# KiCad board poly_kb_molecule_7x5_wave_left.kicad_pcb
title: PolyKB Atom; date: 2022-02-01; rev: 2.1; company: thpoll
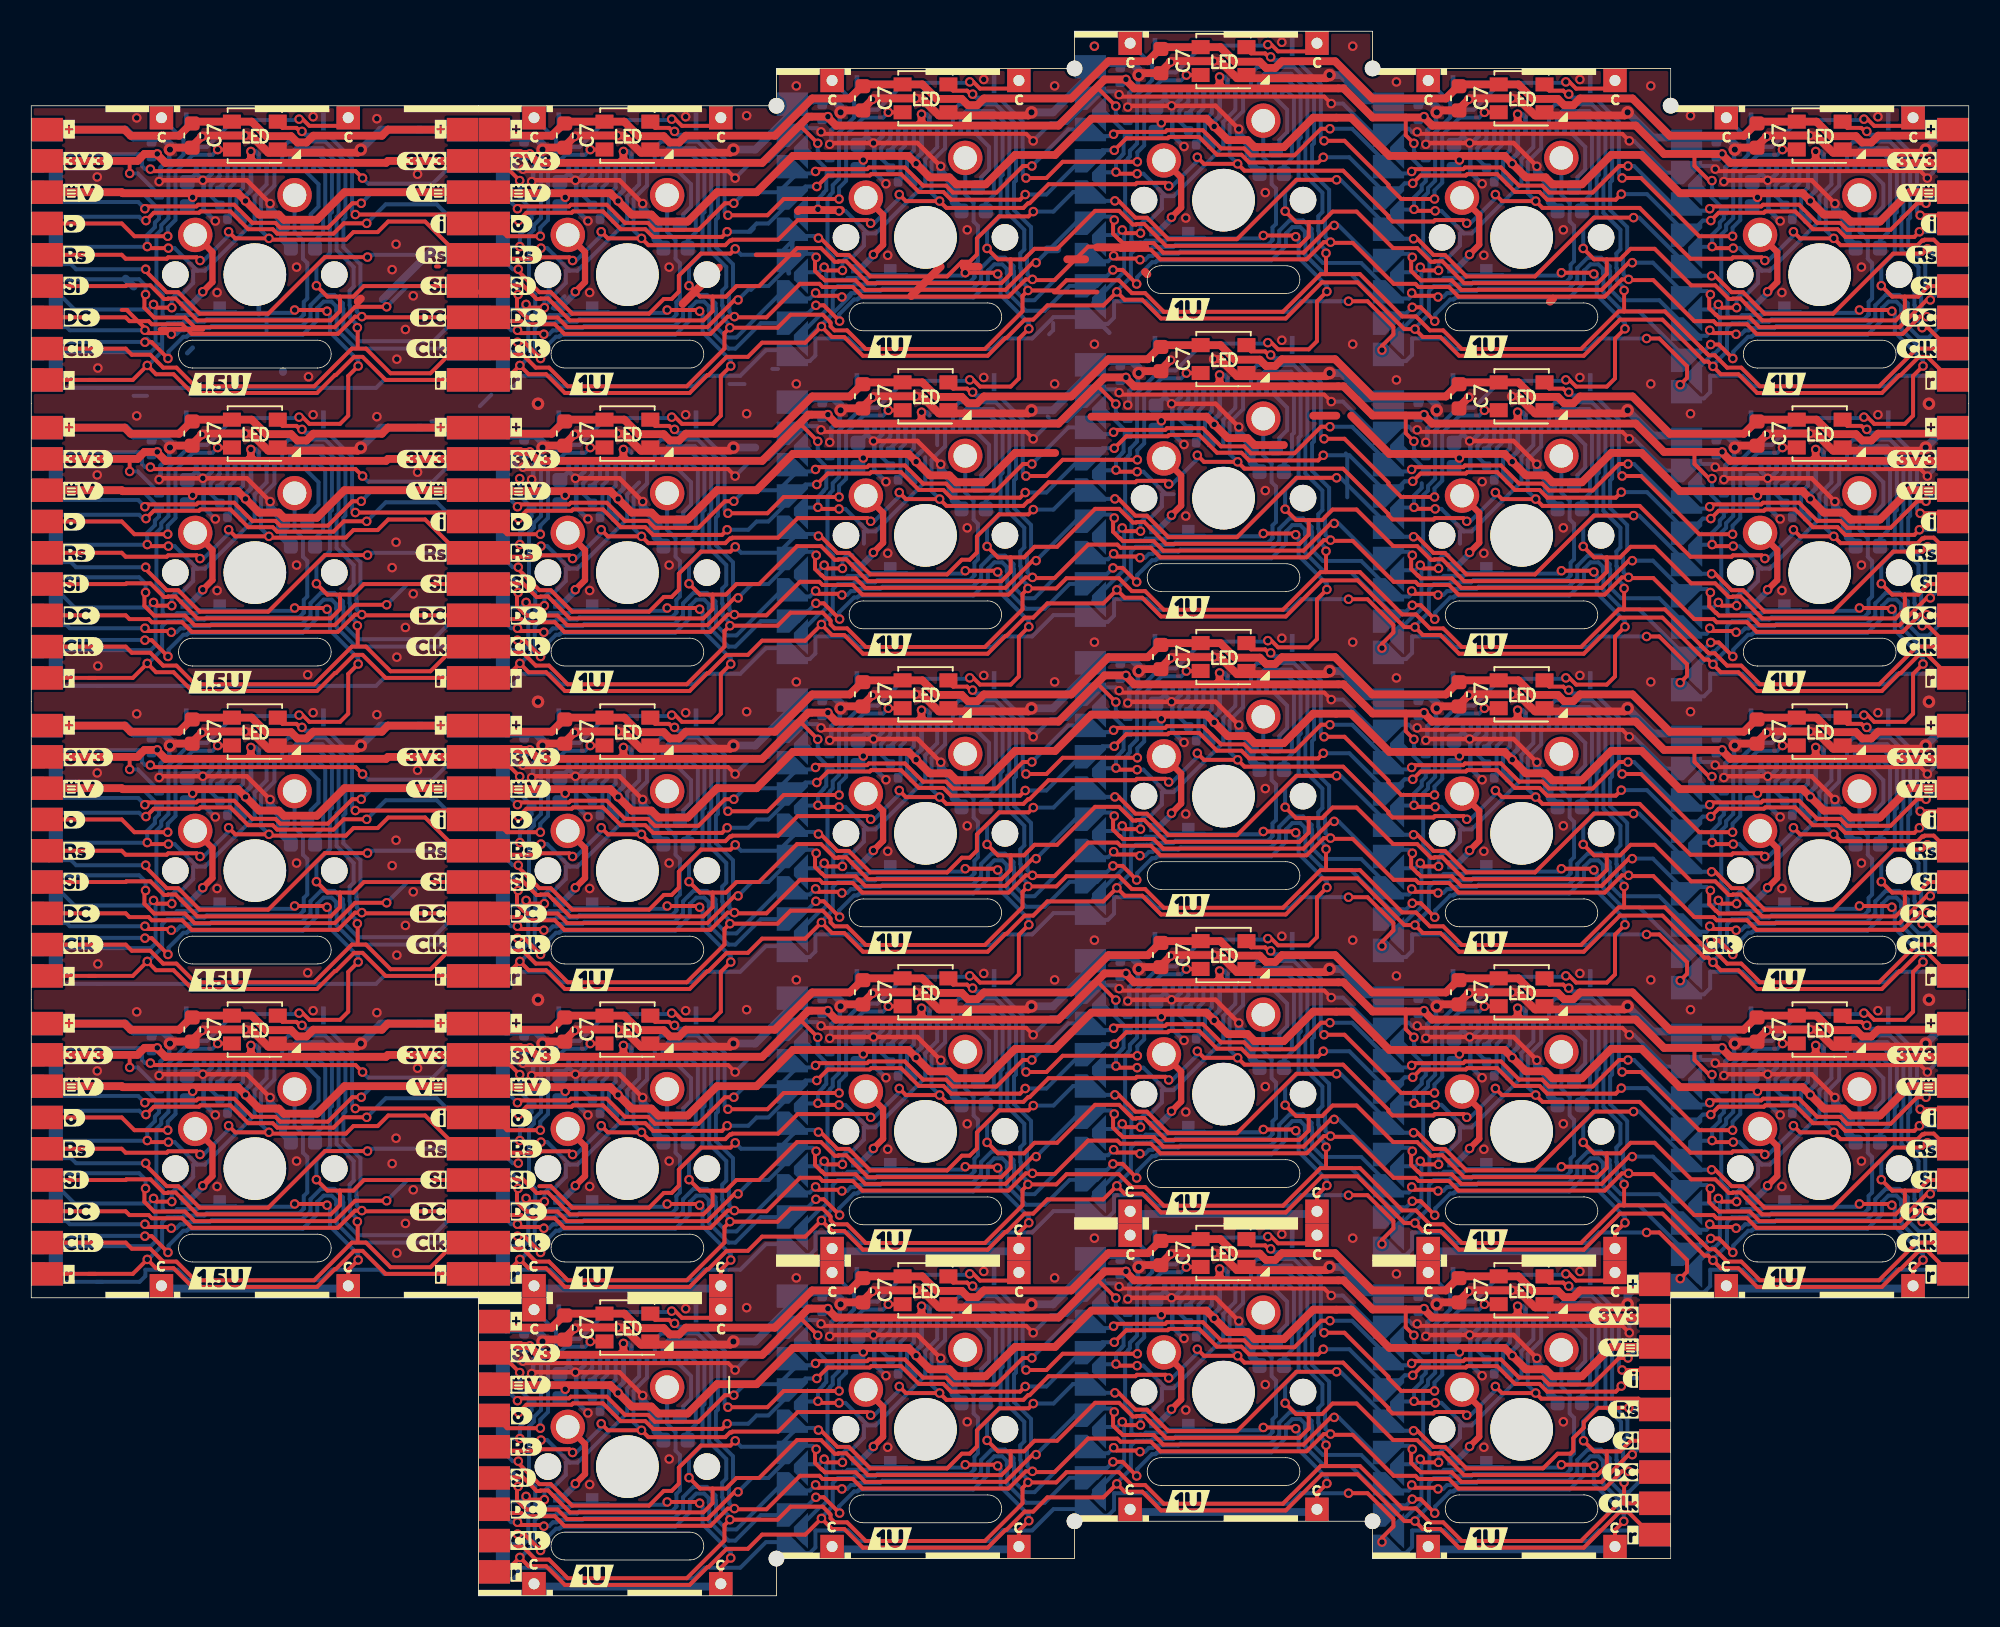
[diagram p0: board, top side]
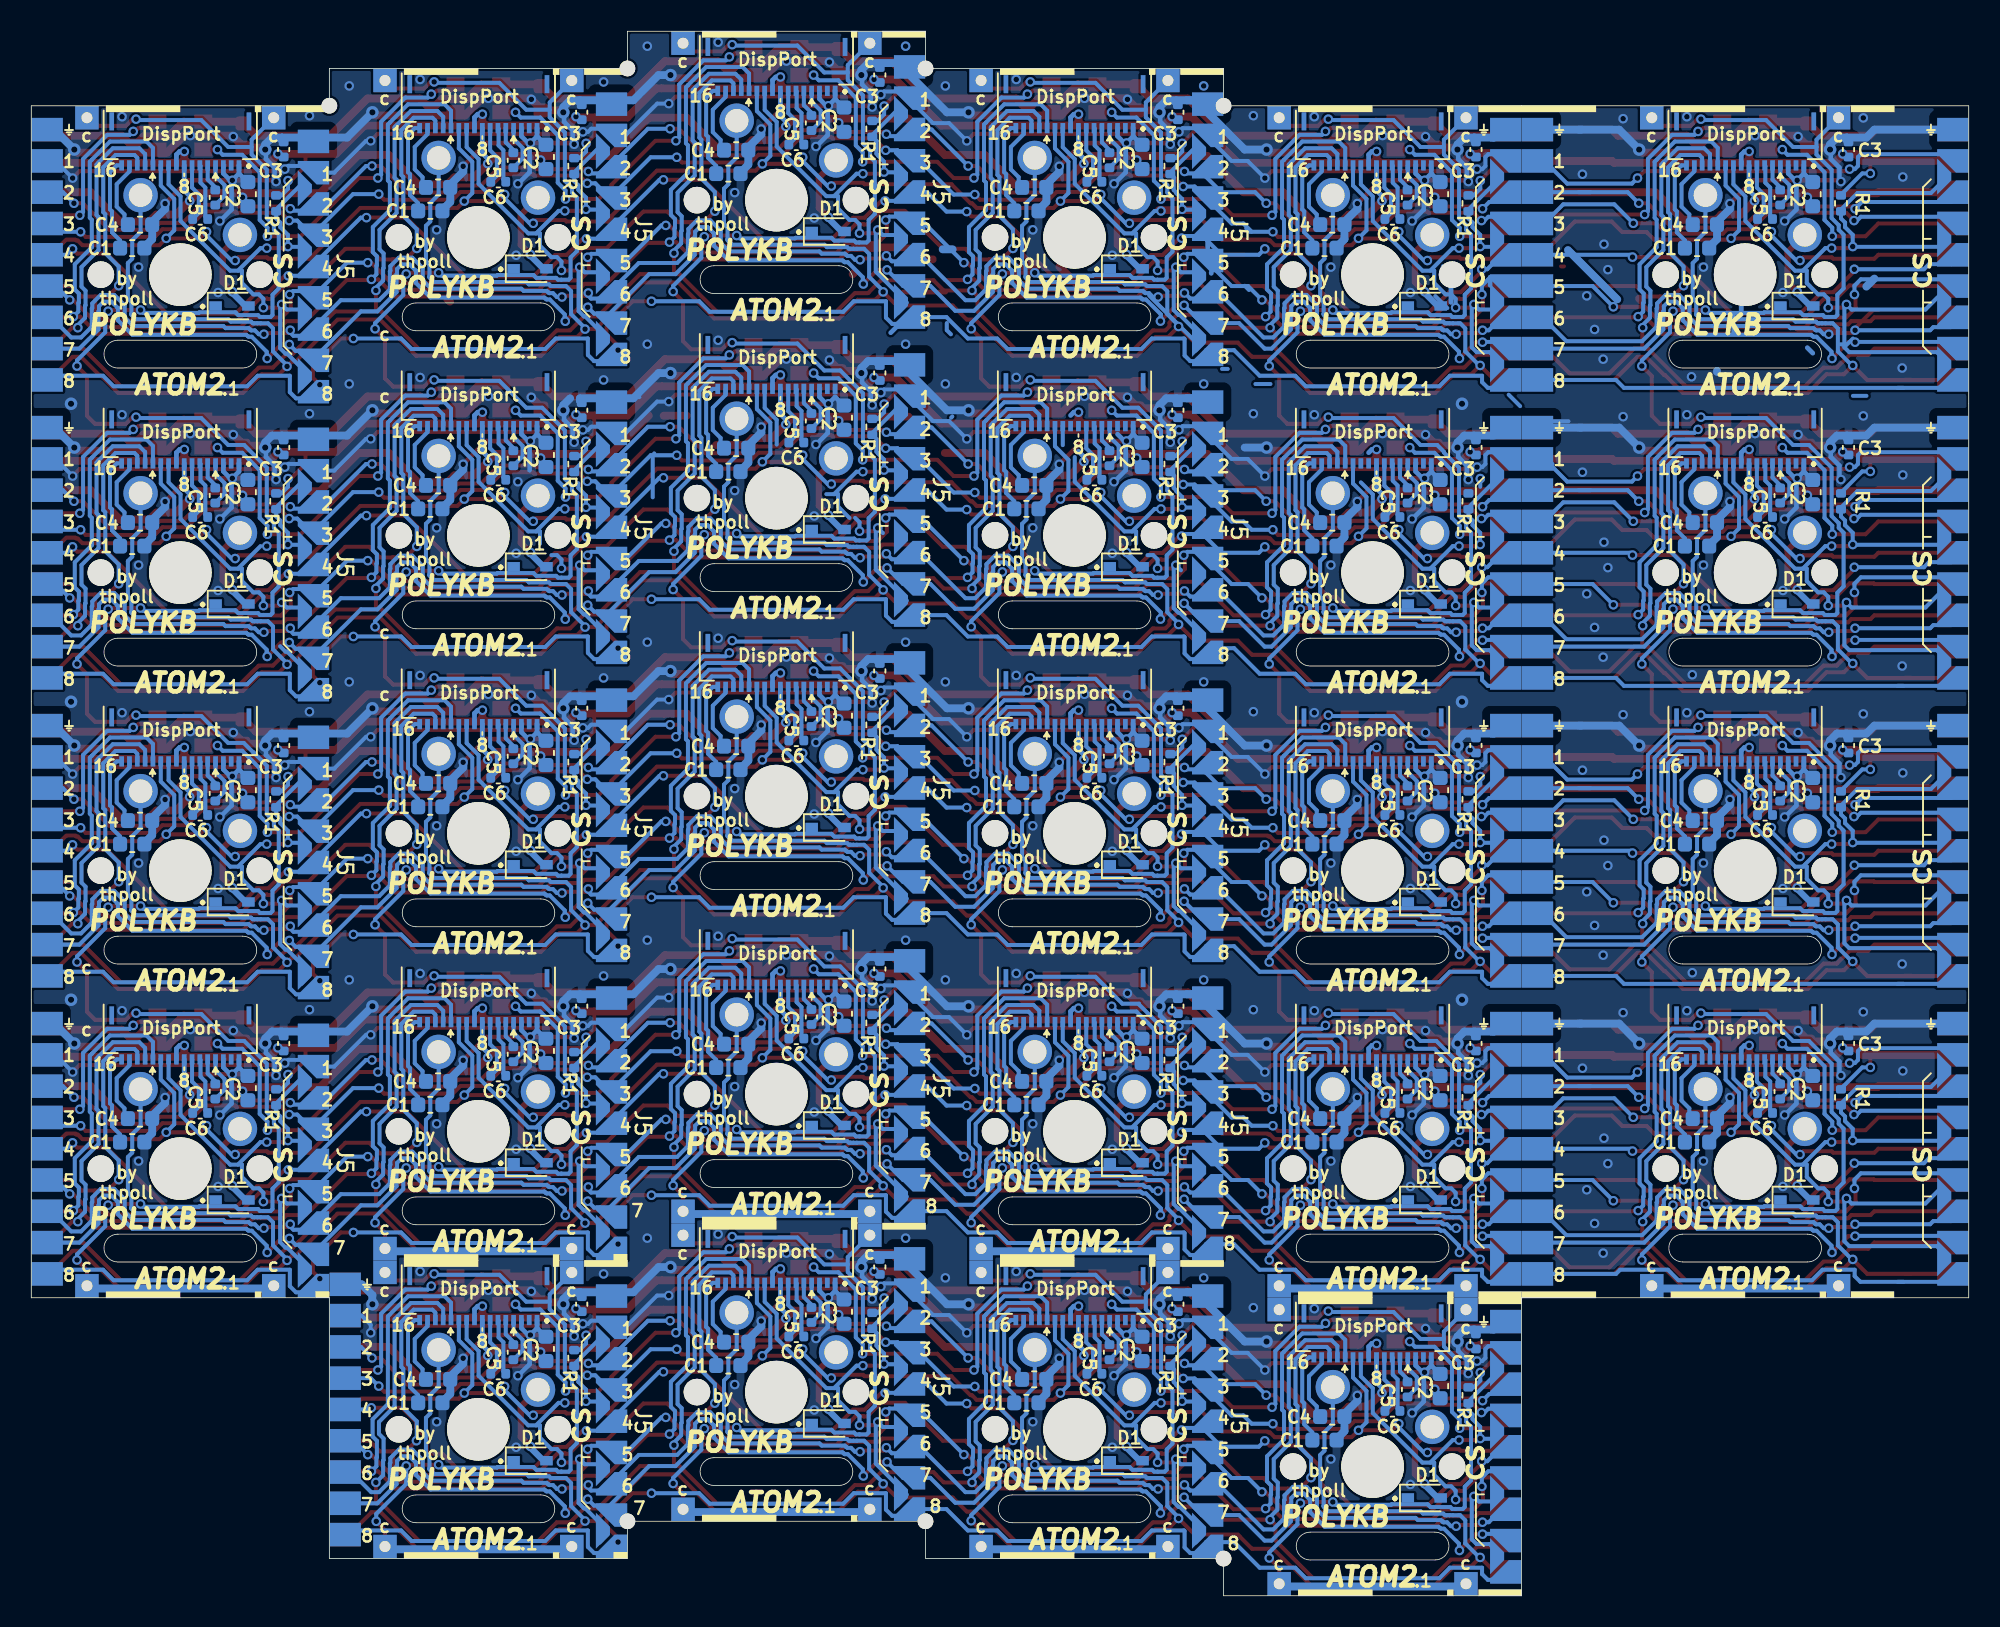
[diagram p1: board, bottom side, seen from below]

Outline 123.83 x 100.01 mm; copper layers: Top, Bottom. Coordinates in mm from the lower left corner of the outline.
Outline path: 0,95.25 0,19.05 28.57,19.05 28.57,0 47.62,0 47.62,2.38 66.67,2.38 66.67,4.76 85.72,4.76 85.72,2.38 104.77,2.38 104.77,19.05 123.83,19.05 123.83,95.25 104.77,95.25 104.77,97.63 85.72,97.63 85.72,100.01 66.67,100.01 66.67,97.63 47.62,97.63 47.62,95.25 28.57,95.25 0,95.25 ; 10.3,78.49 arc(9.41,79.38) 10.3,80.26 18.28,80.26 arc(19.17,79.38) 18.28,78.49 10.3,78.49 ; 10.3,59.44 arc(9.41,60.33) 10.3,61.21 18.28,61.21 arc(19.17,60.33) 18.28,59.44 10.3,59.44 ; 10.3,40.39 arc(9.41,41.28) 10.3,42.16 18.28,42.16 arc(19.17,41.28) 18.28,40.39 10.3,40.39 ; 10.3,21.34 arc(9.41,22.23) 10.3,23.11 18.28,23.11 arc(19.17,22.23) 18.28,21.34 10.3,21.34 ; 34.11,78.49 arc(33.22,79.38) 34.11,80.26 42.09,80.26 arc(42.98,79.38) 42.09,78.49 34.11,78.49 ; 34.11,59.44 arc(33.22,60.32) 34.11,61.21 42.09,61.21 arc(42.98,60.32) 42.09,59.44 34.11,59.44 ; 34.11,40.39 arc(33.22,41.27) 34.11,42.16 42.09,42.16 arc(42.98,41.27) 42.09,40.39 34.11,40.39 ; 34.11,21.34 arc(33.22,22.22) 34.11,23.11 42.09,23.11 arc(42.98,22.22) 42.09,21.34 34.11,21.34 ; 34.11,2.29 arc(33.22,3.17) 34.11,4.06 42.09,4.06 arc(42.98,3.17) 42.09,2.29 34.11,2.29 ; 53.16,80.87 arc(52.27,81.76) 53.16,82.65 61.14,82.65 arc(62.03,81.76) 61.14,80.87 53.16,80.87 ; 53.16,61.82 arc(52.27,62.71) 53.16,63.6 61.14,63.6 arc(62.03,62.71) 61.14,61.82 53.16,61.82 ; 53.16,42.77 arc(52.27,43.66) 53.16,44.55 61.14,44.55 arc(62.03,43.66) 61.14,42.77 53.16,42.77 ; 53.16,23.72 arc(52.27,24.61) 53.16,25.5 61.14,25.5 arc(62.03,24.61) 61.14,23.72 53.16,23.72 ; 53.16,4.67 arc(52.27,5.56) 53.16,6.45 61.14,6.45 arc(62.03,5.56) 61.14,4.67 53.16,4.67 ; 72.21,83.25 arc(71.32,84.14) 72.21,85.03 80.19,85.03 arc(81.08,84.14) 80.19,83.25 72.21,83.25 ; 72.21,64.2 arc(71.32,65.09) 72.21,65.98 80.19,65.98 arc(81.08,65.09) 80.19,64.2 72.21,64.2 ; 72.21,45.15 arc(71.32,46.04) 72.21,46.93 80.19,46.93 arc(81.08,46.04) 80.19,45.15 72.21,45.15 ; 72.21,26.1 arc(71.32,26.99) 72.21,27.88 80.19,27.88 arc(81.08,26.99) 80.19,26.1 72.21,26.1 ; 72.21,7.05 arc(71.32,7.94) 72.21,8.83 80.19,8.83 arc(81.08,7.94) 80.19,7.05 72.21,7.05 ; 91.26,80.87 arc(90.37,81.76) 91.26,82.65 99.24,82.65 arc(100.13,81.76) 99.24,80.87 91.26,80.87 ; 91.26,61.82 arc(90.37,62.71) 91.26,63.6 99.24,63.6 arc(100.13,62.71) 99.24,61.82 91.26,61.82 ; 91.26,42.77 arc(90.37,43.66) 91.26,44.55 99.24,44.55 arc(100.13,43.66) 99.24,42.77 91.26,42.77 ; 91.26,23.72 arc(90.37,24.61) 91.26,25.5 99.24,25.5 arc(100.13,24.61) 99.24,23.72 91.26,23.72 ; 91.26,4.67 arc(90.37,5.56) 91.26,6.45 99.24,6.45 arc(100.13,5.56) 99.24,4.67 91.26,4.67 ; 110.31,78.49 arc(109.42,79.38) 110.31,80.26 118.29,80.26 arc(119.18,79.38) 118.29,78.49 110.31,78.49 ; 110.31,59.44 arc(109.42,60.32) 110.31,61.21 118.29,61.21 arc(119.18,60.32) 118.29,59.44 110.31,59.44 ; 110.31,40.39 arc(109.42,41.27) 110.31,42.16 118.29,42.16 arc(119.18,41.27) 118.29,40.39 110.31,40.39 ; 110.31,21.34 arc(109.42,22.22) 110.31,23.11 118.29,23.11 arc(119.18,22.22) 118.29,21.34 110.31,21.34
Stack: Top 0.035mm / dielectric 1.51mm FR4 er 4.5 / Bottom 0.035mm

## Placement (name value [footprint] x y rotation side)
C1  2.2uF  [C_0603_1608Metric]  41.17 86.15 180 bottom
C1#2  2.2uF  [C_0603_1608Metric]  79.28 90.91 180 bottom
C1#3  2.2uF  [C_0603_1608Metric]  98.33 88.53 180 bottom
C1#4  2.2uF  [C_0603_1608Metric]  17.36 86.15 180 bottom
C1#5  2.2uF  [C_0603_1608Metric]  117.37 67.1 180 bottom
C1#6  2.2uF  [C_0603_1608Metric]  41.17 67.1 180 bottom
C1#7  2.2uF  [C_0603_1608Metric]  60.22 12.33 180 bottom
C1#8  2.2uF  [C_0603_1608Metric]  117.37 29 180 bottom
C1#9  2.2uF  [C_0603_1608Metric]  98.33 50.43 180 bottom
C1#10  2.2uF  [C_0603_1608Metric]  17.36 29 180 bottom
C1#11  2.2uF  [C_0603_1608Metric]  17.36 67.1 180 bottom
C1#12  2.2uF  [C_0603_1608Metric]  98.33 12.33 180 bottom
C1#13  2.2uF  [C_0603_1608Metric]  41.17 9.95 180 bottom
C1#14  2.2uF  [C_0603_1608Metric]  41.17 48.05 180 bottom
C1#15  2.2uF  [C_0603_1608Metric]  79.28 33.76 180 bottom
C1#16  2.2uF  [C_0603_1608Metric]  60.22 50.43 180 bottom
C1#17  2.2uF  [C_0603_1608Metric]  79.28 14.71 180 bottom
C1#18  2.2uF  [C_0603_1608Metric]  98.33 31.38 180 bottom
C1#19  2.2uF  [C_0603_1608Metric]  79.28 71.86 180 bottom
C1#20  2.2uF  [C_0603_1608Metric]  79.28 52.81 180 bottom
C1#21  2.2uF  [C_0603_1608Metric]  60.22 88.53 180 bottom
C1#22  2.2uF  [C_0603_1608Metric]  98.33 69.48 180 bottom
C1#23  2.2uF  [C_0603_1608Metric]  117.37 48.05 180 bottom
C1#24  2.2uF  [C_0603_1608Metric]  41.17 29 180 bottom
C1#25  2.2uF  [C_0603_1608Metric]  117.37 86.15 180 bottom
C1#26  2.2uF  [C_0603_1608Metric]  60.22 69.48 180 bottom
C1#27  2.2uF  [C_0603_1608Metric]  60.22 31.38 180 bottom
C1#28  2.2uF  [C_0603_1608Metric]  17.36 48.05 180 bottom
C2  2.2uF  [C_0603_1608Metric]  33.78 89.6 90 bottom
C2#2  2.2uF  [C_0603_1608Metric]  71.88 56.26 90 bottom
C2#3  2.2uF  [C_0603_1608Metric]  90.93 91.98 90 bottom
C2#4  2.2uF  [C_0603_1608Metric]  52.83 15.78 90 bottom
C2#5  2.2uF  [C_0603_1608Metric]  109.98 32.45 90 bottom
C2#6  2.2uF  [C_0603_1608Metric]  109.98 70.55 90 bottom
C2#7  2.2uF  [C_0603_1608Metric]  109.98 89.6 90 bottom
C2#8  2.2uF  [C_0603_1608Metric]  71.88 75.31 90 bottom
C2#9  2.2uF  [C_0603_1608Metric]  52.83 72.93 90 bottom
C2#10  2.2uF  [C_0603_1608Metric]  9.97 51.5 90 bottom
C2#11  2.2uF  [C_0603_1608Metric]  9.97 70.55 90 bottom
C2#12  2.2uF  [C_0603_1608Metric]  52.83 53.88 90 bottom
C2#13  2.2uF  [C_0603_1608Metric]  33.78 51.5 90 bottom
C2#14  2.2uF  [C_0603_1608Metric]  90.93 15.78 90 bottom
C2#15  2.2uF  [C_0603_1608Metric]  71.88 94.36 90 bottom
C2#16  2.2uF  [C_0603_1608Metric]  71.88 18.16 90 bottom
C2#17  2.2uF  [C_0603_1608Metric]  90.93 34.83 90 bottom
C2#18  2.2uF  [C_0603_1608Metric]  33.78 32.45 90 bottom
C2#19  2.2uF  [C_0603_1608Metric]  9.97 89.6 90 bottom
C2#20  2.2uF  [C_0603_1608Metric]  109.98 51.5 90 bottom
C2#21  2.2uF  [C_0603_1608Metric]  33.78 70.55 90 bottom
C2#22  2.2uF  [C_0603_1608Metric]  33.78 13.4 90 bottom
C2#23  2.2uF  [C_0603_1608Metric]  52.83 34.83 90 bottom
C2#24  2.2uF  [C_0603_1608Metric]  90.93 53.88 90 bottom
C2#25  2.2uF  [C_0603_1608Metric]  9.97 32.45 90 bottom
C2#26  2.2uF  [C_0603_1608Metric]  71.88 37.21 90 bottom
C2#27  2.2uF  [C_0603_1608Metric]  52.83 91.98 90 bottom
C2#28  2.2uF  [C_0603_1608Metric]  90.93 72.93 90 bottom
C3  1uF  [C_0402_1005Metric]  31.5 92.46 90 bottom
C3#2  1uF  [C_0402_1005Metric]  50.55 94.84 90 bottom
C3#3  1uF  [C_0402_1005Metric]  50.55 75.79 90 bottom
C3#4  1uF  [C_0402_1005Metric]  69.6 97.22 90 bottom
C3#5  1uF  [C_0402_1005Metric]  69.6 21.02 90 bottom
C3#6  1uF  [C_0402_1005Metric]  69.6 40.07 90 bottom
C3#7  1uF  [C_0402_1005Metric]  88.65 75.79 90 bottom
C3#8  1uF  [C_0402_1005Metric]  31.5 16.26 90 bottom
C3#9  1uF  [C_0402_1005Metric]  50.55 56.74 90 bottom
C3#10  1uF  [C_0402_1005Metric]  88.65 94.84 90 bottom
C3#11  1uF  [C_0402_1005Metric]  69.6 78.17 90 bottom
C3#12  1uF  [C_0402_1005Metric]  50.55 18.64 90 bottom
C3#13  1uF  [C_0402_1005Metric]  7.68 73.41 90 bottom
C3#14  1uF  [C_0402_1005Metric]  107.7 92.46 90 bottom
C3#15  1uF  [C_0402_1005Metric]  31.5 54.36 90 bottom
C3#16  1uF  [C_0402_1005Metric]  107.7 54.36 90 bottom
C3#17  1uF  [C_0402_1005Metric]  7.68 54.36 90 bottom
C3#18  1uF  [C_0402_1005Metric]  107.7 73.41 90 bottom
C3#19  1uF  [C_0402_1005Metric]  7.68 35.31 90 bottom
C3#20  1uF  [C_0402_1005Metric]  88.65 37.69 90 bottom
C3#21  1uF  [C_0402_1005Metric]  69.6 59.12 90 bottom
C3#22  1uF  [C_0402_1005Metric]  50.55 37.69 90 bottom
C3#23  1uF  [C_0402_1005Metric]  31.5 35.31 90 bottom
C3#24  1uF  [C_0402_1005Metric]  7.68 92.46 90 bottom
C3#25  1uF  [C_0402_1005Metric]  107.7 35.31 90 bottom
C3#26  1uF  [C_0402_1005Metric]  88.65 18.64 90 bottom
C3#27  1uF  [C_0402_1005Metric]  88.65 56.74 90 bottom
C3#28  1uF  [C_0402_1005Metric]  31.5 73.41 90 bottom
C4  4.7uF  [C_0603_1608Metric]  40.67 87.65 180 bottom
C4#2  4.7uF  [C_0603_1608Metric]  16.86 68.6 180 bottom
C4#3  4.7uF  [C_0603_1608Metric]  97.83 51.93 180 bottom
C4#4  4.7uF  [C_0603_1608Metric]  78.78 54.31 180 bottom
C4#5  4.7uF  [C_0603_1608Metric]  116.87 87.65 180 bottom
C4#6  4.7uF  [C_0603_1608Metric]  16.86 49.55 180 bottom
C4#7  4.7uF  [C_0603_1608Metric]  97.83 13.83 180 bottom
C4#8  4.7uF  [C_0603_1608Metric]  59.72 51.93 180 bottom
C4#9  4.7uF  [C_0603_1608Metric]  78.78 16.21 180 bottom
C4#10  4.7uF  [C_0603_1608Metric]  116.87 49.55 180 bottom
C4#11  4.7uF  [C_0603_1608Metric]  78.78 92.41 180 bottom
C4#12  4.7uF  [C_0603_1608Metric]  97.83 90.03 180 bottom
C4#13  4.7uF  [C_0603_1608Metric]  78.78 35.26 180 bottom
C4#14  4.7uF  [C_0603_1608Metric]  78.78 73.36 180 bottom
C4#15  4.7uF  [C_0603_1608Metric]  40.67 11.45 180 bottom
C4#16  4.7uF  [C_0603_1608Metric]  16.86 30.5 180 bottom
C4#17  4.7uF  [C_0603_1608Metric]  40.67 49.55 180 bottom
C4#18  4.7uF  [C_0603_1608Metric]  59.72 32.88 180 bottom
C4#19  4.7uF  [C_0603_1608Metric]  40.67 68.6 180 bottom
C4#20  4.7uF  [C_0603_1608Metric]  59.72 90.03 180 bottom
C4#21  4.7uF  [C_0603_1608Metric]  16.86 87.65 180 bottom
C4#22  4.7uF  [C_0603_1608Metric]  40.67 30.5 180 bottom
C4#23  4.7uF  [C_0603_1608Metric]  59.72 70.98 180 bottom
C4#24  4.7uF  [C_0603_1608Metric]  116.87 68.6 180 bottom
C4#25  4.7uF  [C_0603_1608Metric]  59.72 13.83 180 bottom
C4#26  4.7uF  [C_0603_1608Metric]  97.83 32.88 180 bottom
C4#27  4.7uF  [C_0603_1608Metric]  97.83 70.98 180 bottom
C4#28  4.7uF  [C_0603_1608Metric]  116.87 30.5 180 bottom
C5  1uF  [C_0402_1005Metric]  35.86 89.39 90 bottom
C5#2  1uF  [C_0402_1005Metric]  93.01 72.72 90 bottom
C5#3  1uF  [C_0402_1005Metric]  73.96 75.1 90 bottom
C5#4  1uF  [C_0402_1005Metric]  35.86 32.24 90 bottom
C5#5  1uF  [C_0402_1005Metric]  12.05 89.39 90 bottom
C5#6  1uF  [C_0402_1005Metric]  73.96 56.05 90 bottom
C5#7  1uF  [C_0402_1005Metric]  12.05 51.29 90 bottom
C5#8  1uF  [C_0402_1005Metric]  112.06 89.39 90 bottom
C5#9  1uF  [C_0402_1005Metric]  54.91 91.77 90 bottom
C5#10  1uF  [C_0402_1005Metric]  93.01 34.62 90 bottom
C5#11  1uF  [C_0402_1005Metric]  112.06 70.34 90 bottom
C5#12  1uF  [C_0402_1005Metric]  54.91 72.72 90 bottom
C5#13  1uF  [C_0402_1005Metric]  112.06 32.24 90 bottom
C5#14  1uF  [C_0402_1005Metric]  54.91 15.57 90 bottom
C5#15  1uF  [C_0402_1005Metric]  35.86 13.19 90 bottom
C5#16  1uF  [C_0402_1005Metric]  12.05 70.34 90 bottom
C5#17  1uF  [C_0402_1005Metric]  112.06 51.29 90 bottom
C5#18  1uF  [C_0402_1005Metric]  12.05 32.24 90 bottom
C5#19  1uF  [C_0402_1005Metric]  73.96 17.95 90 bottom
C5#20  1uF  [C_0402_1005Metric]  73.96 37 90 bottom
C5#21  1uF  [C_0402_1005Metric]  73.96 94.15 90 bottom
C5#22  1uF  [C_0402_1005Metric]  93.01 91.77 90 bottom
C5#23  1uF  [C_0402_1005Metric]  35.86 51.29 90 bottom
C5#24  1uF  [C_0402_1005Metric]  93.01 15.57 90 bottom
C5#25  1uF  [C_0402_1005Metric]  93.01 53.67 90 bottom
C5#26  1uF  [C_0402_1005Metric]  35.86 70.34 90 bottom
C5#27  1uF  [C_0402_1005Metric]  54.91 53.67 90 bottom
C5#28  1uF  [C_0402_1005Metric]  54.91 34.62 90 bottom
C6  1uF  [C_0402_1005Metric]  36.83 88.01 0 bottom
C6#2  1uF  [C_0402_1005Metric]  13.02 88.01 0 bottom
C6#3  1uF  [C_0402_1005Metric]  13.02 68.96 0 bottom
C6#4  1uF  [C_0402_1005Metric]  74.93 73.72 0 bottom
C6#5  1uF  [C_0402_1005Metric]  93.98 52.29 0 bottom
C6#6  1uF  [C_0402_1005Metric]  113.03 30.86 0 bottom
C6#7  1uF  [C_0402_1005Metric]  36.83 11.81 0 bottom
C6#8  1uF  [C_0402_1005Metric]  93.98 71.34 0 bottom
C6#9  1uF  [C_0402_1005Metric]  113.03 49.91 0 bottom
C6#10  1uF  [C_0402_1005Metric]  113.03 68.96 0 bottom
C6#11  1uF  [C_0402_1005Metric]  93.98 90.39 0 bottom
C6#12  1uF  [C_0402_1005Metric]  36.83 30.86 0 bottom
C6#13  1uF  [C_0402_1005Metric]  74.93 92.77 0 bottom
C6#14  1uF  [C_0402_1005Metric]  74.93 16.57 0 bottom
C6#15  1uF  [C_0402_1005Metric]  55.88 52.29 0 bottom
C6#16  1uF  [C_0402_1005Metric]  13.02 49.91 0 bottom
C6#17  1uF  [C_0402_1005Metric]  74.93 54.67 0 bottom
C6#18  1uF  [C_0402_1005Metric]  13.02 30.86 0 bottom
C6#19  1uF  [C_0402_1005Metric]  36.83 68.96 0 bottom
C6#20  1uF  [C_0402_1005Metric]  55.88 33.24 0 bottom
C6#21  1uF  [C_0402_1005Metric]  113.03 88.01 0 bottom
C6#22  1uF  [C_0402_1005Metric]  93.98 33.24 0 bottom
C6#23  1uF  [C_0402_1005Metric]  55.88 71.34 0 bottom
C6#24  1uF  [C_0402_1005Metric]  55.88 14.19 0 bottom
C6#25  1uF  [C_0402_1005Metric]  93.98 14.19 0 bottom
C6#26  1uF  [C_0402_1005Metric]  36.83 49.91 0 bottom
C6#27  1uF  [C_0402_1005Metric]  74.93 35.62 0 bottom
C6#28  1uF  [C_0402_1005Metric]  55.88 90.39 0 bottom
C7  100nF  [C_0603_1608Metric]  110.3 74.29 270 top
C7#2  100nF  [C_0603_1608Metric]  72.2 79.06 270 top
C7#3  100nF  [C_0603_1608Metric]  34.1 93.34 270 top
C7#4  100nF  [C_0603_1608Metric]  91.25 19.53 270 top
C7#5  100nF  [C_0603_1608Metric]  10.29 93.35 270 top
C7#6  100nF  [C_0603_1608Metric]  91.25 38.58 270 top
C7#7  100nF  [C_0603_1608Metric]  10.29 36.2 270 top
C7#8  100nF  [C_0603_1608Metric]  53.15 76.68 270 top
C7#9  100nF  [C_0603_1608Metric]  110.3 36.19 270 top
C7#10  100nF  [C_0603_1608Metric]  53.15 95.73 270 top
C7#11  100nF  [C_0603_1608Metric]  34.1 17.14 270 top
C7#12  100nF  [C_0603_1608Metric]  91.25 76.68 270 top
C7#13  100nF  [C_0603_1608Metric]  10.29 74.3 270 top
C7#14  100nF  [C_0603_1608Metric]  91.25 95.73 270 top
C7#15  100nF  [C_0603_1608Metric]  34.1 55.24 270 top
C7#16  100nF  [C_0603_1608Metric]  110.3 93.34 270 top
C7#17  100nF  [C_0603_1608Metric]  91.25 57.63 270 top
C7#18  100nF  [C_0603_1608Metric]  72.2 21.91 270 top
C7#19  100nF  [C_0603_1608Metric]  53.15 19.53 270 top
C7#20  100nF  [C_0603_1608Metric]  72.2 40.96 270 top
C7#21  100nF  [C_0603_1608Metric]  53.15 38.58 270 top
C7#22  100nF  [C_0603_1608Metric]  72.2 60.01 270 top
C7#23  100nF  [C_0603_1608Metric]  110.3 55.24 270 top
C7#24  100nF  [C_0603_1608Metric]  10.29 55.25 270 top
C7#25  100nF  [C_0603_1608Metric]  34.1 36.19 270 top
C7#26  100nF  [C_0603_1608Metric]  72.2 98.11 270 top
C7#27  100nF  [C_0603_1608Metric]  53.15 57.63 270 top
C7#28  100nF  [C_0603_1608Metric]  34.1 74.29 270 top
D1  D_Small  [D_SOD-323Ext]  34.8 82.45 180 bottom
D1#2  D_Small  [D_SOD-323Ext]  91.95 8.63 180 bottom
D1#3  D_Small  [D_SOD-323Ext]  91.95 84.83 180 bottom
D1#4  D_Small  [D_SOD-323Ext]  111 82.45 180 bottom
D1#5  D_Small  [D_SOD-323Ext]  111 44.35 180 bottom
D1#6  D_Small  [D_SOD-323Ext]  10.99 25.3 180 bottom
D1#7  D_Small  [D_SOD-323Ext]  72.9 11.01 180 bottom
D1#8  D_Small  [D_SOD-323Ext]  91.95 27.68 180 bottom
D1#9  D_Small  [D_SOD-323Ext]  34.8 25.3 180 bottom
D1#10  D_Small  [D_SOD-323Ext]  10.99 82.45 180 bottom
D1#11  D_Small  [D_SOD-323Ext]  10.99 44.35 180 bottom
D1#12  D_Small  [D_SOD-323Ext]  72.9 49.11 180 bottom
D1#13  D_Small  [D_SOD-323Ext]  53.85 84.83 180 bottom
D1#14  D_Small  [D_SOD-323Ext]  72.9 30.06 180 bottom
D1#15  D_Small  [D_SOD-323Ext]  10.99 63.4 180 bottom
D1#16  D_Small  [D_SOD-323Ext]  53.85 27.68 180 bottom
D1#17  D_Small  [D_SOD-323Ext]  53.85 65.78 180 bottom
D1#18  D_Small  [D_SOD-323Ext]  72.9 87.21 180 bottom
D1#19  D_Small  [D_SOD-323Ext]  91.95 46.73 180 bottom
D1#20  D_Small  [D_SOD-323Ext]  34.8 63.4 180 bottom
D1#21  D_Small  [D_SOD-323Ext]  34.8 44.35 180 bottom
D1#22  D_Small  [D_SOD-323Ext]  91.95 65.78 180 bottom
D1#23  D_Small  [D_SOD-323Ext]  72.9 68.16 180 bottom
D1#24  D_Small  [D_SOD-323Ext]  53.85 8.63 180 bottom
D1#25  D_Small  [D_SOD-323Ext]  53.85 46.73 180 bottom
D1#26  D_Small  [D_SOD-323Ext]  111 25.3 180 bottom
D1#27  D_Small  [D_SOD-323Ext]  111 63.4 180 bottom
D1#28  D_Small  [D_SOD-323Ext]  34.8 6.25 180 bottom
J1  Conn_01x16  [FPC_16_JUSHUO_AFC05_S16FIA_00]  38.1 91.44 0 bottom
J1#2  Conn_01x16  [FPC_16_JUSHUO_AFC05_S16FIA_00]  95.25 17.62 0 bottom
J1#3  Conn_01x16  [FPC_16_JUSHUO_AFC05_S16FIA_00]  95.25 74.77 0 bottom
J1#4  Conn_01x16  [FPC_16_JUSHUO_AFC05_S16FIA_00]  76.2 77.15 0 bottom
J1#5  Conn_01x16  [FPC_16_JUSHUO_AFC05_S16FIA_00]  76.2 96.2 0 bottom
J1#6  Conn_01x16  [FPC_16_JUSHUO_AFC05_S16FIA_00]  57.15 55.72 0 bottom
J1#7  Conn_01x16  [FPC_16_JUSHUO_AFC05_S16FIA_00]  114.3 91.44 0 bottom
J1#8  Conn_01x16  [FPC_16_JUSHUO_AFC05_S16FIA_00]  38.1 72.39 0 bottom
J1#9  Conn_01x16  [FPC_16_JUSHUO_AFC05_S16FIA_00]  95.25 55.72 0 bottom
J1#10  Conn_01x16  [FPC_16_JUSHUO_AFC05_S16FIA_00]  76.2 58.1 0 bottom
J1#11  Conn_01x16  [FPC_16_JUSHUO_AFC05_S16FIA_00]  38.1 15.24 0 bottom
J1#12  Conn_01x16  [FPC_16_JUSHUO_AFC05_S16FIA_00]  57.15 17.62 0 bottom
J1#13  Conn_01x16  [FPC_16_JUSHUO_AFC05_S16FIA_00]  57.15 36.67 0 bottom
J1#14  Conn_01x16  [FPC_16_JUSHUO_AFC05_S16FIA_00]  38.1 53.34 0 bottom
J1#15  Conn_01x16  [FPC_16_JUSHUO_AFC05_S16FIA_00]  14.29 53.34 0 bottom
J1#16  Conn_01x16  [FPC_16_JUSHUO_AFC05_S16FIA_00]  14.29 34.29 0 bottom
J1#17  Conn_01x16  [FPC_16_JUSHUO_AFC05_S16FIA_00]  57.15 93.82 0 bottom
J1#18  Conn_01x16  [FPC_16_JUSHUO_AFC05_S16FIA_00]  95.25 36.67 0 bottom
J1#19  Conn_01x16  [FPC_16_JUSHUO_AFC05_S16FIA_00]  114.3 53.34 0 bottom
J1#20  Conn_01x16  [FPC_16_JUSHUO_AFC05_S16FIA_00]  38.1 34.29 0 bottom
J1#21  Conn_01x16  [FPC_16_JUSHUO_AFC05_S16FIA_00]  76.2 39.05 0 bottom
J1#22  Conn_01x16  [FPC_16_JUSHUO_AFC05_S16FIA_00]  95.25 93.82 0 bottom
J1#23  Conn_01x16  [FPC_16_JUSHUO_AFC05_S16FIA_00]  114.3 72.39 0 bottom
J1#24  Conn_01x16  [FPC_16_JUSHUO_AFC05_S16FIA_00]  14.29 72.39 0 bottom
J1#25  Conn_01x16  [FPC_16_JUSHUO_AFC05_S16FIA_00]  76.2 20 0 bottom
J1#26  Conn_01x16  [FPC_16_JUSHUO_AFC05_S16FIA_00]  114.3 34.29 0 bottom
J1#27  Conn_01x16  [FPC_16_JUSHUO_AFC05_S16FIA_00]  57.15 74.77 0 bottom
J1#28  Conn_01x16  [FPC_16_JUSHUO_AFC05_S16FIA_00]  14.29 91.44 0 bottom
J2  North  [TestPoin_1.5x1.5mm_Drill0.7mm]  44.07 94.49 0 top
J2#2  North  [TestPoin_1.5x1.5mm_Drill0.7mm]  120.27 94.49 0 top
J2#3  North  [TestPoin_1.5x1.5mm_Drill0.7mm]  101.22 20.67 0 top
J2#4  North  [TestPoin_1.5x1.5mm_Drill0.7mm]  101.22 96.87 0 top
J2#5  North  [TestPoin_1.5x1.5mm_Drill0.7mm]  44.07 18.29 0 top
J2#6  North  [TestPoin_1.5x1.5mm_Drill0.7mm]  20.26 94.49 0 top
J2#7  North  [TestPoin_1.5x1.5mm_Drill0.7mm]  82.17 23.05 0 top
J2#8  North  [TestPoin_1.5x1.5mm_Drill0.7mm]  63.12 20.67 0 top
J2#9  North  [TestPoin_1.5x1.5mm_Drill0.7mm]  63.12 96.87 0 top
J2#10  North  [TestPoin_1.5x1.5mm_Drill0.7mm]  82.17 99.25 0 top
J3  WestFront  [AtomConnect2]  29.59 85.72 270 top
J3#2  WestFront  [AtomConnect2]  29.59 28.58 270 top
J3#3  WestFront  [AtomConnect2]  1.02 28.58 270 top
J3#4  WestFront  [AtomConnect2]  29.59 66.67 270 top
J3#5  WestFront  [AtomConnect2]  1.02 85.73 270 top
J3#6  WestFront  [AtomConnect2]  29.59 9.52 270 top
J3#7  WestFront  [AtomConnect2]  29.59 47.62 270 top
J3#8  WestFront  [AtomConnect2]  1.02 47.63 270 top
J3#9  WestFront  [AtomConnect2]  1.02 66.68 270 top
J4  EastFront  [AtomConnect2]  122.81 28.58 270 top
J4#2  EastFront  [AtomConnect2]  122.81 47.62 270 top
J4#3  EastFront  [AtomConnect2]  122.81 66.67 270 top
J4#4  EastFront  [AtomConnect2]  27.56 66.68 270 top